# Altium PCB SPEC-A7.PcbDoc (part 2 of 10) (continued)
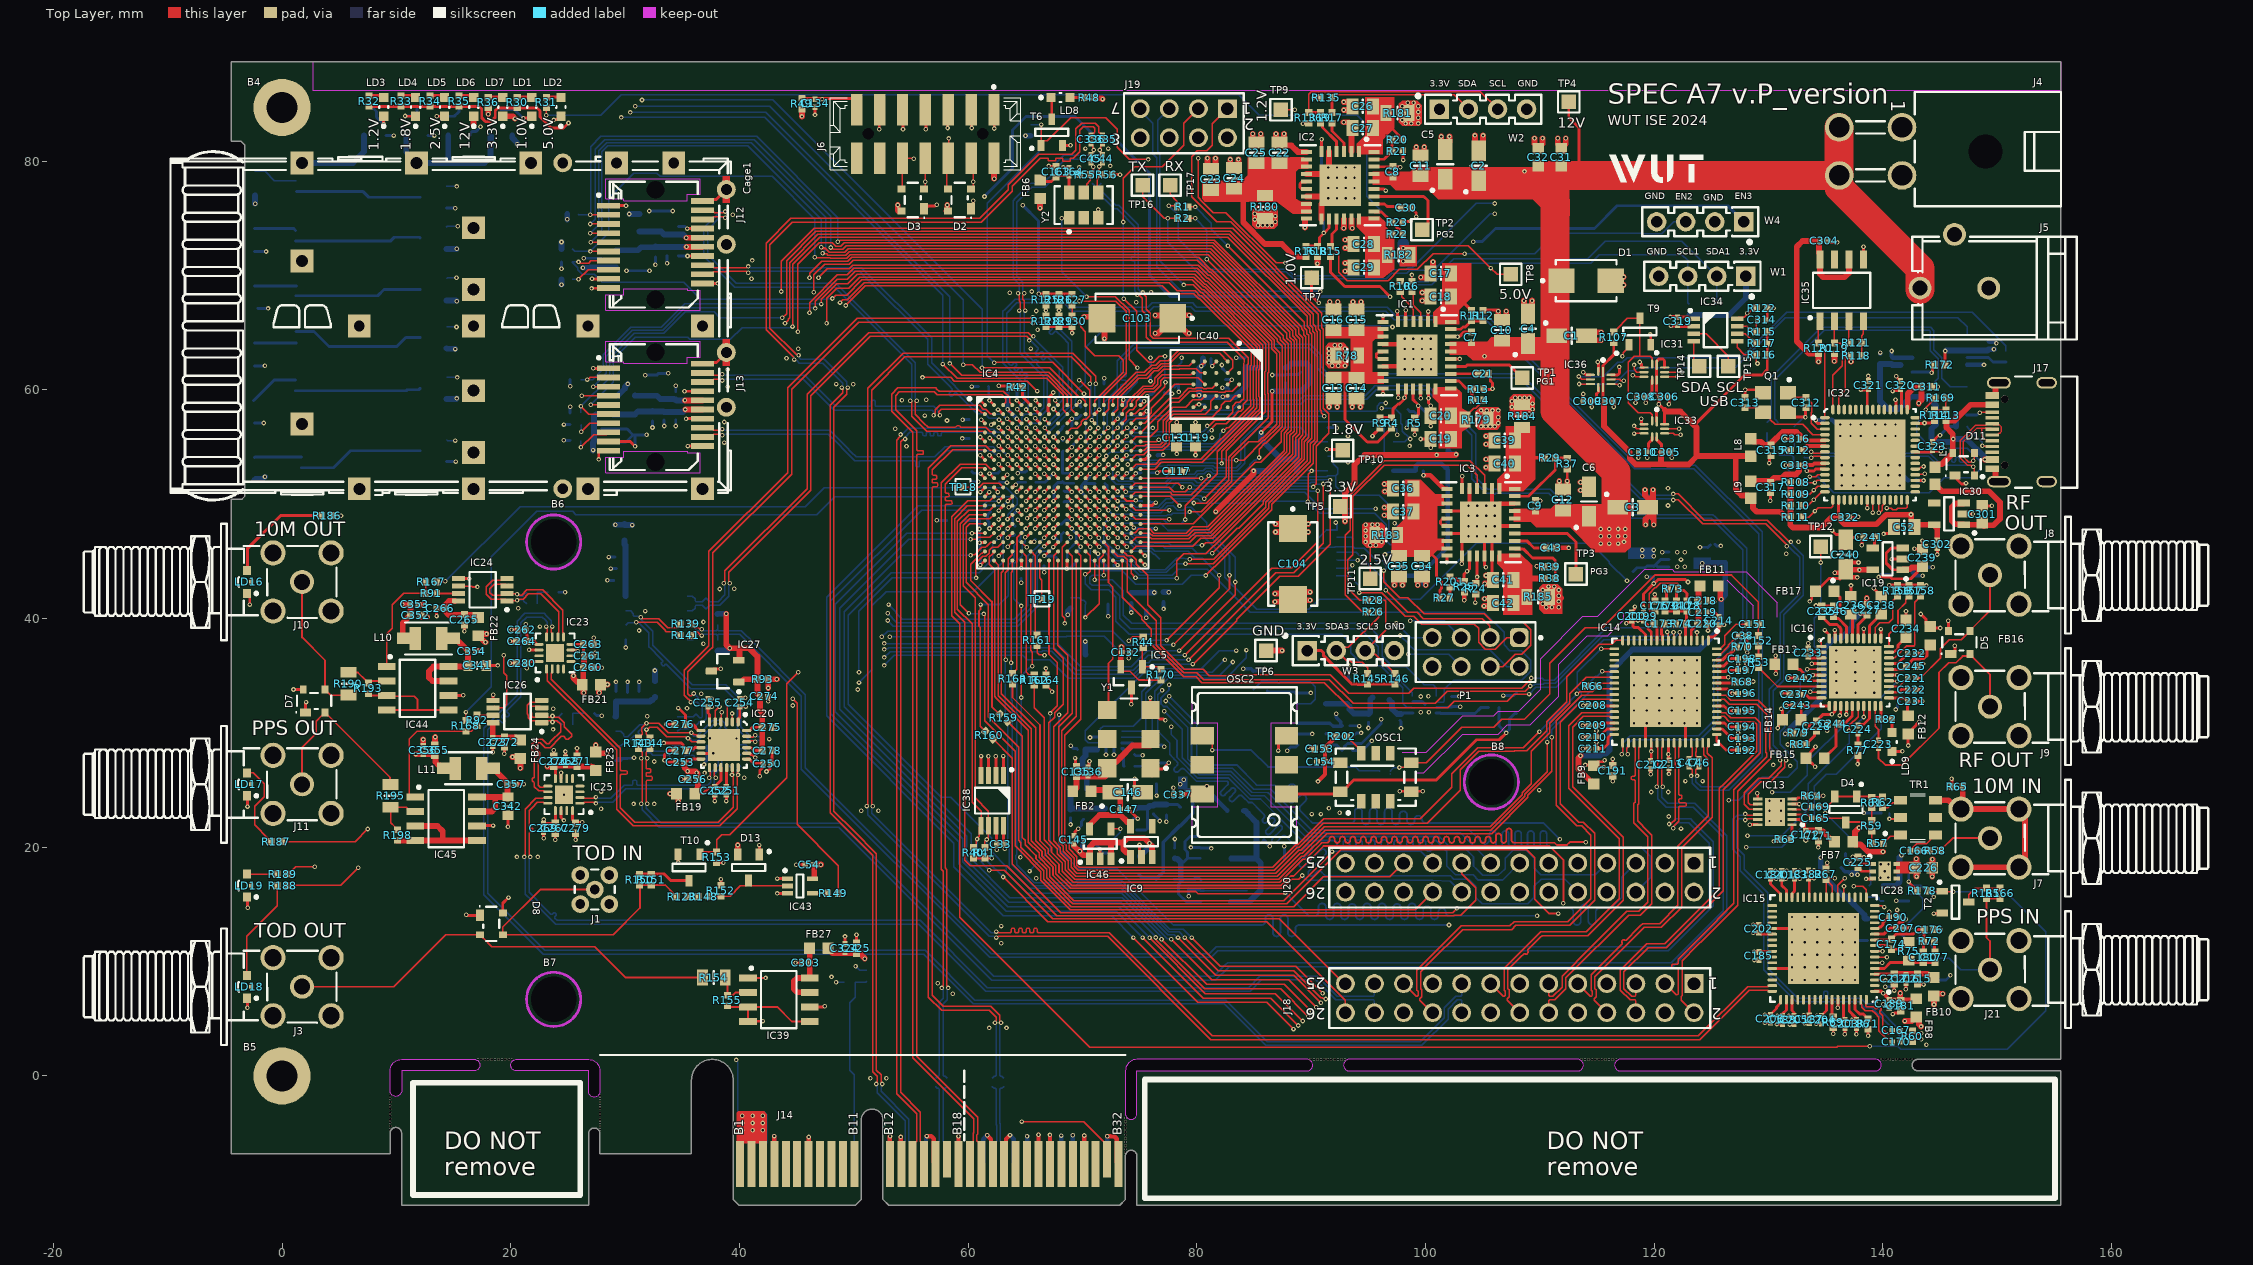
[diagram p0: Top Layer view]
## Footprints (in the part's own frame and the unit in brackets; to place one, negate y for a bottom-side part, rotate by r counter-clockwise, add the part's x,y. Pads: shape width x height; smd on the part's side, far side on the other; paste and mask are expansions set on the pad) (continued)
  rect 0.35x0.975 smd paste-2539.97 mask-0.025: 7(-2.925,-2.963) 8(-2.275,-2.963) 9(-1.625,-2.963) 10(-0.975,-2.963) 11(-0.325,-2.963) 12(0.325,-2.963) 13(0.975,-2.963) 14(1.625,-2.963) 15(2.275,-2.963) 16(2.925,-2.963) 23(2.925,2.963) 24(2.275,2.963) 25(1.625,2.963) 26(0.975,2.963) 27(0.325,2.963) 28(-0.325,2.963) 29(-0.975,2.963) 30(-1.625,2.963) 31(-2.275,2.963) 32(-2.925,2.963)
  rect 3.6x3.6 smd paste-2539.97 mask-0.25: 33(0,0)
  silkscreen extent -4.15,-3.5 3.5,3.5, body extent -3.5,-3.5 3.5,3.5, height 2.1
MTG270_500 [mm] "Plated Through Hole: Hole Dia.=2.7mm Pad Dia.=5.0mm"
  round 5 hole 2.7: 1(0,0)
MTG400 [mm] "Non Plated Through Hole: Hole Dia.=4mm"
  round 1 hole 4 unplated mask+1.5: 1(0,0)
OSC_CONNOR-WINFIELD_DOT050V [mm] "SMD VCTCXO, Side Concave, 6 Pins, 9.00x14.00mm, DOT050V Series"
  rect 2.03x1.52 smd: 1(-3.685,2.54) 2(-3.685,0) 3(-3.685,-2.54) 4(3.685,-2.54) 5(3.685,0) 6(3.685,2.54)
  Top Layer keep-out region: -4.55,6.8 4.575,6.8 4.575,3.675 4.55,3.65 2.32,3.65 2.32,-3.65 4.575,-3.65 4.575,-6.8 -4.575,-6.8 -4.575,-3.675 -4.55,-3.65 -2.32,-3.65 -2.32,3.65 -4.55,3.65
  silkscreen extent -4.57,-6.8 4.57,6.8, body extent -4.57,-6.8 4.58,6.8, height 6.86
OSC_CONNOR-WINFIELD_T [mm] "SMD VCTCXO, Side Concave, 10 Pins, 5.00x7.00mm, T Series"
  rect 1.28x0.76 smd: 1(-2.09,1.27) 2(-2.09,0) 3(-2.09,-1.27) 6(2.09,-1.27) 7(2.09,0) 8(2.09,1.27)
  rect 0.94x1.28 smd: 4(-1.27,-3.105) 5(1.27,-3.105) 9(1.27,3.105) 10(-1.27,3.105)
  silkscreen extent -3.25,-3.5 2.5,3.5, body extent -2.5,-3.5 2.5,3.5, height 2.4
OSC_SI-TIME_SIT9121-C [mm] "SiT9121 Series Package C, Oscillators, Version 3.2mmx5mm, Pitch 1.27mm; 6 Pin"
  rect 1.2x0.9 smd: 1(-1.1,1.27) 2(-1.1,0) 3(-1.1,-1.27) 4(1.1,-1.27) 5(1.1,0) 6(1.1,1.27)
  silkscreen extent -2.44,-2.55 1.65,2.55, body extent -1.65,-2.55 1.65,2.55, height 0.8
"PCI Express x4" [mm] "64 contacts Board Eddge PCI Express x4 Connector"
  rect 0.7x3.2 smd far side paste-0.4: A1(0.6,4)
  rect 0.7x4 smd far side paste-0.4: A2(1.6,3.6) A3(2.6,3.6) A4(3.6,3.6) A5(4.6,3.6) A6(5.6,3.6) A7(6.6,3.6) A8(7.6,3.6) A9(8.6,3.6) A10(9.6,3.6) A11(10.6,3.6) A12(13.7,3.6) A13(14.7,3.6) A14(15.7,3.6) A15(16.7,3.6) A16(17.7,3.6) A17(18.7,3.6) A18(19.7,3.6) A19(20.7,3.6) A20(21.7,3.6) A21(22.7,3.6) A22(23.7,3.601) A23(24.7,3.601) A24(25.7,3.601) A25(26.7,3.601) A26(27.7,3.601) A27(28.7,3.601) A28(29.7,3.601) A29(30.7,3.602) A30(31.7,3.602) A31(32.7,3.602) A32(33.7,3.602)
  rect 0.7x4 smd paste-0.4: B1(0.6,3.6) B2(1.6,3.6) B3(2.6,3.6) B4(3.6,3.6) B5(4.6,3.6) B6(5.6,3.6) B7(6.6,3.6) B8(7.6,3.6) B9(8.6,3.6) B10(9.6,3.6) B11(10.6,3.6) B12(13.7,3.6) B13(14.7,3.6) B14(15.7,3.6) B15(16.7,3.6) B16(17.7,3.6) B18(19.7,3.6) B19(20.7,3.6) B20(21.7,3.6) B21(22.7,3.6) B22(23.7,3.601) B23(24.7,3.601) B24(25.7,3.601) B25(26.7,3.601) B26(27.7,3.601) B27(28.7,3.601) B28(29.7,3.601) B29(30.7,3.602) B30(31.7,3.602) B32(33.7,3.602)
  rect 0.7x3.2 smd paste-0.4: B17(18.7,4) B31(32.7,4.002)
QFN40P140X180X55-10N [mm] "QFN, 0.40mm Pitch, Rect.;10 Pin, 1.80mm L X 1.40mm W X 0.55mm H Body, IPC Medium Density"
  oval 0.9x0.2 smd: 1(-0.65,0.2)
  oval 0.8x0.2 smd: 2(-0.7,-0.2) 6(0.7,-0.2) 7(0.7,0.2)
  oval 0.2x0.8 smd: 3(-0.4,-0.9) 4(0,-0.9) 5(0.4,-0.9) 8(0.4,0.9) 9(0,0.9) 10(-0.4,0.9)
  silkscreen extent -1.82,0.08 -1.58,0.33, body extent -0.7,-0.9 0.7,0.9, height 0.55
QFN50P400X400X80-25N-S280 [mm] "QFN,0.50mm Pitch, Square; 24 Pin, 4.00mm W X 4.00mm L X 0.80mm H body (w/Thermal Tab 2.80 X 2.80mm), IPC Medium Density"
  oval 0.8x0.3 smd: 1(-2,1.25) 2(-2,0.75) 3(-2,0.25) 4(-2,-0.25) 5(-2,-0.75) 6(-2,-1.25) 13(2,-1.25) 14(2,-0.75) 15(2,-0.25) 16(2,0.25) 17(2,0.75) 18(2,1.25)
  oval 0.3x0.8 smd: 7(-1.25,-2) 8(-0.75,-2) 9(-0.25,-2) 10(0.25,-2) 11(0.75,-2) 12(1.25,-2) 19(1.25,2) 20(0.75,2) 21(0.25,2) 22(-0.25,2) 23(-0.75,2) 24(-1.25,2)
  rect 2.8x2.8 smd: 25(0,0)
  silkscreen extent -2.76,-2 2,2, body extent -2.07,-2.07 2.08,2.08, height 0.8
QFN50P600X600X100-41N-S460 [mm] "QFN, 0.50mm Pitch, Square 40 pin, 6.00mm L X 6.00mm W X 1.00mm H body (w/thermal tab 4.6mm x 4.6mm), IPC Medium Density"
  oval 0.9x0.3 smd: 1(-2.95,2.25) 2(-2.95,1.75) 3(-2.95,1.25) 4(-2.95,0.75) 5(-2.95,0.25) 6(-2.95,-0.25) 7(-2.95,-0.75) 8(-2.95,-1.25) 9(-2.95,-1.75) 10(-2.95,-2.25) 21(2.95,-2.25) 22(2.95,-1.75) 23(2.95,-1.25) 24(2.95,-0.75) 25(2.95,-0.25) 26(2.95,0.25) 27(2.95,0.75) 28(2.95,1.25) 29(2.95,1.75) 30(2.95,2.25)
  oval 0.3x0.9 smd: 11(-2.25,-2.95) 12(-1.75,-2.95) 13(-1.25,-2.95) 14(-0.75,-2.95) 15(-0.25,-2.95) 16(0.25,-2.95) 17(0.75,-2.95) 18(1.25,-2.95) 19(1.75,-2.95) 20(2.25,-2.95) 31(2.25,2.95) 32(1.75,2.95) 33(1.25,2.95) 34(0.75,2.95) 35(0.25,2.95) 36(-0.25,2.95) 37(-0.75,2.95) 38(-1.25,2.95) 39(-1.75,2.95) 40(-2.25,2.95)
  rect 4.6x4.6 smd: 41(0,0)
  silkscreen extent -4.04,-3 3,3.16, body extent -3,-3 3,3, height 1
QFN50P800X800X100-57N-S620 [mm] "QFN, 0.50mm Pitch, Square; 56 Pin, 8.00mm L X 8.00mm W X 1.00mm H body (6.2mm X 6.2mm Thermal tab), IPC Medium Density"
  oval 0.85x0.3 smd: 1(-3.95,3.25) 2(-3.95,2.75) 3(-3.95,2.25) 4(-3.95,1.75) 5(-3.95,1.25) 6(-3.95,0.75) 7(-3.95,0.25) 8(-3.95,-0.25) 9(-3.95,-0.75) 10(-3.95,-1.25) 11(-3.95,-1.75) 12(-3.95,-2.25) 13(-3.95,-2.75) 14(-3.95,-3.25) 29(3.95,-3.25) 30(3.95,-2.75) 31(3.95,-2.25) 32(3.95,-1.75) 33(3.95,-1.25) 34(3.95,-0.75) 35(3.95,-0.25) 36(3.95,0.25) 37(3.95,0.75) 38(3.95,1.25) 39(3.95,1.75) 40(3.95,2.25) 41(3.95,2.75) 42(3.95,3.25)
  oval 0.3x0.85 smd: 15(-3.25,-3.95) 16(-2.75,-3.95) 17(-2.25,-3.95) 18(-1.75,-3.95) 19(-1.25,-3.95) 20(-0.75,-3.95) 21(-0.25,-3.95) 22(0.25,-3.95) 23(0.75,-3.95) 24(1.25,-3.95) 25(1.75,-3.95) 26(2.25,-3.95) 27(2.75,-3.95) 28(3.25,-3.95) 43(3.25,3.95) 44(2.75,3.95) 45(2.25,3.95) 46(1.75,3.95) 47(1.25,3.95) 48(0.75,3.95) 49(0.25,3.95) 50(-0.25,3.95) 51(-0.75,3.95) 52(-1.25,3.95) 53(-1.75,3.95) 54(-2.25,3.95) 55(-2.75,3.95) 56(-3.25,3.95)
  rect 6.2x6.2 smd: 57(0,0)
  silkscreen extent -5.07,-4 4,4, body extent -4,-4 4,4, height 1
RESC1005X40N [mm] "Chip Resistor, EIA 0402, Metric 1005, Body 1.0x0.5mm, IPC Medium Density"
  rect 0.58x0.62 smd: 1(-0.47,0) 2(0.47,0)
  body extent -0.52,-0.27 0.53,0.28, height 0.4
RESC1608X55N [mm] "Chip Resistor, EIA 0603, Metric 1608, Body 1.6x0.8mm, IPC Medium Density"
  rect 0.9x1 smd: 1(-0.8,0) 2(0.8,0)
  body extent -0.87,-0.47 0.88,0.48, height 0.55
RESC2012X60N [mm] "Chip Resistor, EIA 0805, Metric 2012, Body 2.0x1.2mm, IPC Medium Density"
  rect 0.95x1.4 smd: 1(-1,0) 2(1,0)
  silkscreen extent 0,-0.55 0,0.55, body extent -1.1,-0.67 1.1,0.68, height 0.6
SAMTEC_HTSW-104-23-L-S [mm] "4 Contacts - Pitch 2.54mm - Single Row Through Mount Straigh Header (Post Lead 5.84mm, Tail Lead 2.92mm, Insulator 2.54mm)"
  rect 1.7x1.7 hole 1: 1(0,0)
  round 1.7 hole 1: 2(2.54,0) 3(5.08,0) 4(7.62,0)
  silkscreen extent -1.27,-1.27 8.89,1.93, body extent -1.27,-1.27 8.89,1.27, height 8.38
SAMTEC_MMCX-J-P-H-ST-TH1 [mm] "Straight Through-hole 50 Ohm Micro Mini RF Jack, MMCX Serie"
  round 1.55 hole 0.85: 1(0,0) 2(-1.27,1.27) 2(-1.27,-1.27) 2(1.27,1.27) 2(1.27,-1.27)
  silkscreen extent -1.75,-1.75 1.75,1.75, body extent -1.75,-1.75 1.75,1.75, height 4.35
SOIC127P600X175-8N [mm] "SOIC 8, Pitch 1.27mm - Body 4x5mm, IPC Medium Density"
  rect 1.55x0.6 smd: 1(-2.7,1.905) 2(-2.7,0.635) 3(-2.7,-0.635) 4(-2.7,-1.905) 5(2.7,-1.905) 6(2.7,-0.635) 7(2.7,0.635) 8(2.7,1.905)
  silkscreen extent -2.53,-2.5 1.55,2.88, body extent -3.1,-2.5 3.1,2.5, height 1.75
SON45P300X300X80-13N-R175X248 [mm] "SON, 0.45mm Pitch; 12 Pin, 3.00mm W X 3.00mm L X 0.80mm H Body (w/Thermal tab 1.75 x 2.48mm), IPC Medium Density"
  rect 0.8x0.25 smd: 1(-1.5,1.125) 2(-1.5,0.675) 3(-1.5,0.225) 4(-1.5,-0.225) 5(-1.5,-0.675) 6(-1.5,-1.125) 7(1.5,-1.125) 8(1.5,-0.675) 9(1.5,-0.225) 10(1.5,0.225) 11(1.5,0.675) 12(1.5,1.125)
  rect 1.75x2.45 smd paste-0.37: 13(0,0)
  silkscreen extent -2.53,1 -2.28,1.25, body extent -1.5,-1.5 1.5,1.5, height 0.8
SON50P200X60_HS-9N [mm] "SON, 8-Leads, Body 2,00x2,00mm, Pitch 0,50mm, Thermal Pad 1,60x0,63mm, IPC Medium Density"
  rect 0.6x0.3 smd: 1(-1.05,0.75) 2(-1.05,0.25) 3(-1.05,-0.25) 4(-1.05,-0.75) 5(1.05,-0.75) 6(1.05,-0.25) 7(1.05,0.25) 8(1.05,0.75)
  rect 1.1x1.7 smd: 9(0,0)
  silkscreen extent -1.47,1.28 -1.22,1.52, body extent -1.05,-1 1.05,1, height 0.65
SON65P200X200X80-7N-R110X170 [mm] "SON, 0.65mm, Pitch; 6 Pin,2.00mm W X 2.00mm L X 0.80mm H body (W/Thermal Tab 1.1mm X 1.7mm),  IPC Medium Density"
  rect 0.6x0.35 smd: 1(-1.05,0.65) 2(-1.05,0) 3(-1.05,-0.65) 4(1.05,-0.65) 5(1.05,0) 6(1.05,0.65)
  rect 1.1x1.7 smd: 7(0,0)
  silkscreen extent -1.57,1.19 -1.32,1.44, body extent -1.05,-1.05 1.05,1.05, height 0.77
SON127P600X500X80-9N-R350X410 [mm] "SON, 1.27mm pitch, 8 pin, 6.00mm W X 5.00mm L X 0.80mm H body (w/thermal tab  3.50 X 4.10 mm), IPC Medium Density"
  rect 1.05x0.45 smd: 1(-2.85,1.905) 2(-2.85,0.635) 3(-2.85,-0.635) 4(-2.85,-1.905) 5(2.85,-1.905) 6(2.85,-0.635) 7(2.85,0.635) 8(2.85,1.905)
  rect 3.5x4.1 smd: 9(0,0)
  silkscreen extent -3.97,-2.5 1.95,2.5, body extent -3,-2.5 3,2.5, height 0.8
SOP65P400X130-8N [mm] "SOP, 0.65mm, Pitch; 8 Pin, 2.80mm W X 2.95mm L X 1.30mm H Body, PC Medium Density"
  rect 1.1x0.4 smd: 1(-1.9,0.975) 2(-1.9,0.325) 3(-1.9,-0.325) 4(-1.9,-0.975) 5(1.9,-0.975) 6(1.9,-0.325) 7(1.9,0.325) 8(1.9,0.975)
  silkscreen extent -2.32,-1.5 1.02,1.82, body extent -2.15,-1.57 2.15,1.58, height 1.3
SOP65P490X110-8N [mm] "SOP, 0.65mm pitch; 8 pin, 3.00mm W X 3.00mm L X 1.10mm H body, IPC Medium Density"
  rect 1.5x0.45 smd: 1(-2.2,0.975) 2(-2.2,0.325) 3(-2.2,-0.325) 4(-2.2,-0.975) 5(2.2,-0.975) 6(2.2,-0.325) 7(2.2,0.325) 8(2.2,0.975)
  silkscreen extent -3.66,-1.5 1.12,1.5, body extent -2.45,-1.55 2.45,1.55, height 1.1
SOT65P210X110-5N [mm] "SOT353, SC70-5, SOT, 0.65mm Pitch, 5 Pin, 1.25mm W X 2.00mm L X 1.10mm H, IPC Medium Density"
  rect 0.95x0.4 smd: 1(-1.1,0.65) 2(-1.1,0) 3(-1.1,-0.65) 4(1.1,-0.65) 5(1.1,0.65)
  silkscreen extent -1.43,-1 0.3,1.47, body extent -1.2,-1.1 1.2,1.1, height 1.1
SOT95P230X110-3N [mm] "SOT23, 3 pin, Pitch 0.95mm - 1.3mm W X 2.9mm L X 1.1mm H, IPC Medium Density"
  rect 1x0.6 smd: 1(-1.15,0.95) 2(-1.15,-0.95) 3(1.15,0)
  silkscreen extent -1.52,-1.45 0.33,1.88, body extent -1.08,-1.5 1.25,1.5, height 1.1
SOT95P240X110-3N [mm] "SOT23 3-Leads, Pitch 0.95mm, Body 1.3x2.9mm, IPC Medium Density"
  rect 1.05x0.65 smd: 1(-1.15,0.95) 2(-1.15,-0.95) 3(1.15,0)
  silkscreen extent -2.32,-1.45 0.3,1.48, body extent -1.25,-1.5 1.25,1.5, height 1.1
SOT95P270X145-5N [mm] "SOT, 0.95mm Pitch; 5 Pin,1.55mm W X 2.90mm L X 1.45mm H body, IPC Medium Density"
  rect 1.25x0.6 smd: 1(-1.35,0.95) 2(-1.35,0) 3(-1.35,-0.95) 4(1.35,-0.95) 5(1.35,0.95)
  silkscreen extent -1.83,-1.45 0.4,1.87, body extent -1.35,-1.45 1.35,1.45, height 1.45
SOT95P280X145-5N [mm] "SOT, 0.95mm pitch; 5 pin, 1.60mm W X 2.90mm L X 1.45mm H body, IPC Medium Density"
  rect 1.1x0.6 smd: 1(-1.3,0.95) 2(-1.3,0) 3(-1.3,-0.95) 4(1.3,-0.95) 5(1.3,0.95)
  silkscreen extent -1.72,-1.45 0.43,1.87, body extent -1.4,-1.5 1.4,1.5, height 1.45
SOT95P280X145-6N [mm]
  rect 1.2x0.6 smd: 1(-1.25,0.95) 2(-1.25,0) 3(-1.25,-0.95) 4(1.25,-0.95) 5(1.25,0) 6(1.25,0.95)
  silkscreen extent -1.85,-1.45 0.3,1.6, body extent -1.4,-1.45 1.4,1.45, height 1.2
SOT190P238X100-4N [mm] "SOT143, 4-Leads, Body 2,90x2,38mm, Pitch 1,90mm, IPC Medium Density"
  rect 0.7x1 smd: 1(-1,0.75)
  rect 0.7x0.6 smd: 2(-1,-0.95) 3(1,-0.95) 4(1,0.95)
  silkscreen extent -1.05,-1.5 0.7,1.6, body extent -0.95,-1.5 0.95,1.5, height 1
SOT-23-TT3_L [mm] "SOT23, 3-Leads, Body 2.9x1.3mm, Pitch 0.95mm, Lead Span 2.4mm, IPC High Density"
  rect 1.2x0.6 smd: 1(-0.9,0.95) 2(-0.9,-0.95) 3(0.9,0)
  silkscreen extent -1.02,-1.55 0.7,1.93, body extent -0.7,-1.52 0.7,1.53, height 1.12
TPS060 [mm] "0.6 x  0.6mm SMD Test Point Area"
  rect 0.6x0.6 smd paste-1.27: 1(0,0)
  silkscreen extent -0.65,-0.65 0.7,0.65
TPS127 [mm] "1.27 x  1.27mm SMD Test Point Area"
  rect 1.27x1.27 smd paste-1.27: 1(0,0)
  silkscreen extent -0.94,-0.94 0.94,0.94
TYCO_2007263-1 [mm] "SFP+ 1x2 Press Fit Cage with EMI Springs"
  rect 2x2 hole 1.05: 1(-30.9,14.25) 2(-20.9,14.25) 3(-10.9,14.25) 4(4.1,-14.25) 5(-5.9,-14.25) 6(-15.9,-14.25) 7(-25.9,-14.25) 8(-30.9,-8.575) 9(-30.9,5.675) 10(-15.9,8.575) 11(-15.9,3.175) 12(-15.9,-5.675) 13(-15.9,-11.075)
  round 1.65 hole 0.95: 14(-8.1,14.25) 17(6.2,11.925) 18(6.2,7.125) 19(6.2,-2.325) 20(6.2,-7.125) 21(-8.1,-14.25)
  rect 2x2 hole 0.95: 15(-3.4,14.25) 16(1.6,14.25) 22(4.1,0) 23(-5.9,0) 24(-15.9,0) 25(-25.9,0)
  Top Layer region: 5.9,-1.18 6.5,-1.18 6.5,-3.48 5.9,-3.48
  Top Layer region: 5.9,13.07 6.5,13.07 6.5,10.77 5.9,10.77
  silkscreen extent -42.4,-15.27 6.58,15.27, body extent -42.4,-15.27 6.58,15.27, height 10.6
XFMR_COILCRAFT_WBC [mm] "Surface Mount Mini Wideband Transformer, Body 4.19mm x 4.45mm"
  rect 1.14x0.76 smd: 1(-1.525,-1.52) 2(-1.525,0) 3(-1.525,1.52) 4(1.525,1.52) 5(1.525,0) 6(1.525,-1.52)
  silkscreen extent -2.97,-2.1 0.65,2.1, body extent -2.22,-2.1 2.23,2.1, height 3.01
XTAL_TXC_7M [mm] "4 Pins, 2.5x3.2mm, SMD Sealing Crystal, 7M Serie"
  rect 1.2x1.4 smd: 1(-0.85,1.1) 2(-0.85,-1.1) 3(0.85,-1.1) 4(0.85,1.1)
  silkscreen extent -2.12,1.08 -1.88,1.33, body extent -1.25,-1.6 1.25,1.6, height 0.8

## Part data
B4 B5: library part PLATED_HOLE2.7_PAD5.0, "Single Terminal Socket", Author="CERN DEM JMW", Component Type="Standard (No BOM)", ComponentHeight=0mm, CreateDate=27.09.2011, Family="Plated Hole", HelpURL=Undefined, LatestRevisionDate=27.09.2011, Mounted=No, PackageDescription="Plated Through Hole: Hole Dia.=2.7mm Pad Dia.=5.0mm", Part Description="Plated Through Hole: Hole Dia.=2.7mm Pad Dia.=5.0mm", Part Number=PLATED_HOLE2.7_PAD5.0, Pin Count=1, Sense=No, SMD=No, Socket=No, Status=None
B6 B7 B8: library part NON-PLATED_HOLE4.0, "Single Terminal Socket", Author="CERN DEM JMW", Component Type="Standard (No BOM)", ComponentHeight=0mm, CreateDate=22.03.2019, Family="Non Plated Hole", HelpURL=Undefined, LatestRevisionDate=22.03.2019, Mounted=No, PackageDescription="Non Plated Through Hole: Hole Dia.=4.0mm", Part Description="Non Plated Through Hole: Hole Dia.=4.0mm", Part Number=NON-PLATED_HOLE4.0, Pin Count=1, Sense=No, SMD=No, Socket=No, Status=None
C1 C2 C3 C4 C5 C6: library part CTE3216-18_10UF_16V_20%_AVX_TCJ, "Polarised capacitor", Case=A, Manufacturer=AVX, Manufacturer Part Number=TCJA106M016R0200, Tolerance=±20%, Voltage=16V, Author="CERN DEM JLC", Component Type=Standard, ComponentHeight=1.8mm, CreateDate=29.03.2012, HelpURL=\\cern.ch\dfs\Applications\Altium\Datasheets\CTE_AVX_TCJ.pdf, LatestRevisionDate=29.03.2012, Mounted=Yes, Part Description="ESR 0R200 Tantalum Solid Electrolytic Chip Capacitor with Conductive Polymer Electrode", Part Number=CTE3216-18_10UF_16V_20%_AVX_TCJ, Pin Count=2, Sense=No, SMD=Yes, Socket=No, Status=Preferred
C7 C8 C9: library part CC0402_100NF_16V_10%_X7R, "Non-polarised capacitor", Case=0402, Manufacturer=GENERIC, Manufacturer1 ComponentHeight=0.55mm, Manufacturer1 Example=MURATA, Manufacturer1 Part Number=GRM155R71C104KA88D, Tolerance=±10%, Voltage=16V, Author="CERN DEM JLC", Component Type=Standard, CreateDate=05/12/2013, HelpURL=\\cern.ch\dfs\Applications\Altium\Datasheets\CC0402_X7R_MURATA_GRM.pdf, LatestRevisionDate=03/12/2007, Manufacturer Part Number=CC0402_100NF_16V_10%_X7R, Mounted=Yes, Part Description="SMD Multilayer Chip Ceramic Capacitor", Part Number=CC0402_100NF_16V_10%_X7R, Pin Count=2, Sense=No, SMD=Yes, Socket=No, Status="Not Recommended", TC=X7R
C10 C11 C12 C13 C14 C15 C16 C17 C18 C19 C20 C22 C23 C24 C25 C26 C27 C28 C29 C34 C35 C36 C37 C39 C40 C41 C42 C52: library part CC0805_22UF_16V_10%_X5R, "Non-polarised capacitor", Case=0805, Manufacturer=GENERIC, Manufacturer1 ComponentHeight=1.35mm, Manufacturer1 Example=TDK, Manufacturer1 Part Number=C2012X5R1C226KT, Tolerance=±10%, Voltage=16V, Author="CERN DEM JLC", Component Type=Standard, CreateDate=25.10.2012, HelpURL=\\cern.ch\dfs\Applications\Altium\Datasheets\CC0805_X5R_TDK_C.pdf, LatestRevisionDate=25.10.2012, Manufacturer Part Number=CC0805_22UF_16V_10%_X5R, Mounted=Yes, Part Description="SMD Multilayer Chip Ceramic Capacitor", Part Number=CC0805_22UF_16V_10%_X5R, Pin Count=2, Sense=No, SMD=Yes, Socket=No, Status=Preferred, TC=X5R
C21 C30 C43 C225 C229 C237 C244 C245 C246 C282 C284 C290 C292 C329 C330 C344 C345: library part CC0402_1UF_16V_10%_X5R, "Non-polarised capacitor", Case=0402, Manufacturer=GENERIC, Manufacturer1 ComponentHeight=0.55mm, Manufacturer1 Example=TDK, Manufacturer1 Part Number=C1005X5R1C105KT, Tolerance=±10%, Voltage=16V, Author="CERN DEM JLC", Component Type=Standard, HelpURL=\\cern.ch\dfs\Applications\Altium\Datasheets\CC0402_X5R_TDK_C.pdf, Manufacturer Part Number=CC0402_1UF_16V_10%_X5R, Mounted=Yes, Part Description="SMD Multilayer Chip Ceramic Capacitor", Part Number=CC0402_1UF_16V_10%_X5R, Pin Count=2, Sense=No, SMD=Yes, Socket=No, Status=Preferred, TC=X5R
  C21 C30 C43 C225 C229 C237 C244 C245 C246 C329 C330 C344 C345: CreateDate=25.10.2012, LatestRevisionDate=25.10.2012
  C282 C284 C290 C292: CreateDate=2012-10-25, LatestRevisionDate=2012-10-25
C31 C32 C226 C230 C234 C236 C238 C283 C287 C291 C295 C301: library part CC0603_10UF_16V_20%_X5R, "Non-polarised capacitor", Case=0603, Manufacturer=GENERIC, Manufacturer1 ComponentHeight=0.8mm, Manufacturer1 Example=MURATA, Manufacturer1 Part Number=GRM188R61C106MA73D, Tolerance=±20%, Voltage=16V, Author="CERN DEM MR", Component Type=Standard, CreateDate=02.03.2016, HelpURL=\\cern.ch\dfs\Applications\Altium\Datasheets\CC0603_X5R_MURATA_GRM.pdf, LatestRevisionDate=02.03.2016, Manufacturer Part Number=CC0603_10UF_16V_20%_X5R, Mounted=Yes, Part Description="SMD Multilayer Chip Ceramic Capacitor", Part Number=CC0603_10UF_16V_20%_X5R, Pin Count=2, Sense=No, SMD=Yes, Socket=No, Status=None, TC=X5R
C33 C38 C44 C45 C46 C47 C48 C49 C50 C51 C53 C54 C55 C57 C58 C59 C60 C61 C62 C63 C64 C65 C66 C105 C132 C133 C134 C136 C137 C141 C143 C145 C147 C148 C154 C156 C158 C160 C162 C164 C165 C166 C167 C168 C169 C170 C172 C182 C183 C184 C185 C186 C187 C188 C189 C190 C192 C193 C194 C195 C196 C197 C198 C199 C200 C201 C202 C203 C204 C205 C206 C207 C208 C209 C210 C211 C212 C213 C214 C216 C219 C221 C222 C223 C224 C231 C232 C242 C243 C248 C250 C251 C252 C253 C254 C255 C258 C261 C262 C266 C268 C269 C273 C274 C281 C285 C286 C288 C289 C293 C294 C296 C297 C298 C299 C302 C303 C304 C305 C306 C307 C308 C309 C310 C314 C316 C318 C319 C320 C321 C322 C323 C324 C331 C332 C335 C336 C337 C343 C351 C353 C354 C356 C357: library part CC0201_100NF_6.3V_10%_X5R, "Non-polarised capacitor", Case=0201, Manufacturer=GENERIC, Manufacturer1 ComponentHeight=0.33mm, Manufacturer1 Example=AVX, Manufacturer1 Part Number=02016D104KAT2A, Tolerance=±10%, Voltage=6.3V, Author="CERN DEM JLC", Component Type=Standard, HelpURL=\\cern.ch\dfs\Applications\Altium\Datasheets\CC0201_X5R_AVX.pdf, Manufacturer Part Number=CC0201_100NF_6.3V_10%_X5R, Mounted=Yes, Part Description="SMD Multilayer Chip Ceramic Capacitor", Part Number=CC0201_100NF_6.3V_10%_X5R, Pin Count=2, Sense=No, SMD=Yes, Socket=No, Status="Not Recommended", TC=X5R
  C33 C38 C44 C45 C46 C47 C48 C49 C50 C51 C53 C54 C55 C57 C58 C59 C60 C61 C62 C63 C64 C65 C66 C105 C136 C137 C141 C143 C145 C147 C148 C154 C156 C158 C160 C162 C164 C165 C166 C167 C168 C169 C170 C172 C182 C183 C184 C185 C186 C187 C188 C189 C190 C192 C193 C194 C195 C196 C197 C198 C199 C200 C201 C202 C203 C204 C205 C206 C207 C208 C209 C210 C211 C212 C213 C214 C216 C219 C221 C222 C223 C224 C231 C232 C242 C243 C248 C250 C251 C252 C253 C254 C255 C258 C261 C262 C266 C268 C269 C273 C274 C297 C298 C299 C302 C303 C304 C305 C306 C307 C308 C309 C310 C314 C316 C318 C319 C320 C321 C322 C323 C324 C331 C332 C335 C336 C337 C343 C351 C353 C354 C356 C357: CreateDate=03.12.2007, LatestRevisionDate=03.12.2007
  C132 C133 C134: ClassName=FPGA_JTAG, CreateDate=2007-12-03, LatestRevisionDate=2007-12-03
  C281 C285 C286 C288 C289 C293 C294 C296: CreateDate=2007-12-03, LatestRevisionDate=2007-12-03
C56 C67 C81 C82 C84 C85 C100 C101 C107 C108 C109 C110 C111 C112 C117 C118 C135 C140 C142 C144 C153 C155 C159 C163 C171 C181 C191 C215 C218 C249 C256 C259 C260 C265 C267 C272 C325 C352 C355: library part CC0402_4.7UF_6.3V_20%_X5R, "Non-polarised capacitor", Case=0402, Manufacturer=GENERIC, Manufacturer1 ComponentHeight=0.65mm, Manufacturer1 Example=TDK, Manufacturer1 Part Number=C1005X5R0J475M050BC, Tolerance=±20%, Voltage=6.3V, Author="CERN DEM JLC", Component Type=Standard, CreateDate=03.03.2015, HelpURL=\\cern.ch\dfs\Applications\Altium\Datasheets\CC0402_X5R_TDK_C.pdf, LatestRevisionDate=03.03.2015, Manufacturer Part Number=CC0402_4.7UF_6.3V_20%_X5R, Mounted=Yes, Part Description="SMD Multilayer Chip Ceramic Capacitor", Part Number=CC0402_4.7UF_6.3V_20%_X5R, Pin Count=2, Sense=No, SMD=Yes, Socket=No, Status=Preferred, TC=X5R
C68 C83 C102 C119 C131 C341 C342: library part CC0603_47UF_6.3V_20%_X5R, "Non-polarised capacitor", Case=0603, Manufacturer=GENERIC, Manufacturer1 ComponentHeight=1mm, Manufacturer1 Example=MURATA, Manufacturer1 Part Number=GRM188R60J476ME15D, Tolerance=±20%, Voltage=6.3V, Author="CERN DEM JLC", Component Type=Standard, CreateDate=01.02.2018, HelpURL=\\cern.ch\dfs\Applications\Altium\Datasheets\CC0603_MURATA_GRM188R60J476ME15D.pdf, LatestRevisionDate=01.02.2018, Manufacturer Part Number=CC0603_47UF_6.3V_20%_X5R, Mounted=Yes, Part Description="SMD Multilayer Chip Ceramic Capacitor", Part Number=CC0603_47UF_6.3V_20%_X5R, Pin Count=2, Sense=No, SMD=Yes, Socket=No, Status=None, TC=X5R
C69 C70 C71 C72 C73 C74 C75 C76 C77 C78 C79 C80 C86 C87 C88 C89 C90 C91 C92 C93 C94 C95 C96 C97 C98 C99 C106 C113 C114 C115 C116 C120 C121 C122 C123 C124 C125 C126 C127 C128 C129 C130 C233 C326 C327 C328: library part CC0201_470NF_4V_20%_X5R, "Non-polarised capacitor", Case=0201, Manufacturer=GENERIC, Manufacturer1 ComponentHeight=0.33mm, Manufacturer1 Example="TAIYO YUDEN", Manufacturer1 Part Number=AMK063BJ474MP-F, Tolerance=±20%, Voltage=4V, Author="CERN DEM JLC", Component Type=Standard, CreateDate=27.05.2010, HelpURL=\\cern.ch\dfs\Applications\Altium\Datasheets\CC0201_X5R_TAIYO-YUDEN_STANDARD-CLASS2.pdf, LatestRevisionDate=27.05.2010, Manufacturer Part Number=CC0201_470NF_4V_20%_X5R, Mounted=Yes, Part Description="SMD Multilayer Chip Ceramic Capacitor", Part Number=CC0201_470NF_4V_20%_X5R, Pin Count=2, Sense=No, SMD=Yes, Socket=No, Status="Not Recommended", TC=X5R
C103 C104: library part CTE7343-19_330UF_2.5V_20%_LESR0025_KEMET_T520, "Polarised capacitor", Case=V, Manufacturer=KEMET, Manufacturer Part Number=T520V337M2R5ATE025, Tolerance=±20%, Voltage=2.5V, Author="CERN DEM MR", Component Type=Standard, ComponentHeight=1.9mm, CreateDate=23.03.2016, HelpURL=\\cern.ch\dfs\Applications\Altium\Datasheets\CTE-LESR_KEMET_T520.pdf, LatestRevisionDate=23.03.2016, Mounted=Yes, Part Description="Low ESR 0R025 Tantalum Chip Capacitor", Part Number=CTE7343-19_330UF_2.5V_20%_LESR0025_KEMET_T520, Pin Count=2, Sense=No, SMD=Yes, Socket=No, Status=None
C138 C149 C151 C152 C177 C217 C220 C235 C247 C257 C263 C264 C270 C271 C275 C276 C277 C278 C279 C280: library part CC0402_10NF_16V_10%_X7R, "Non-polarised capacitor", Case=0402, Manufacturer=GENERIC, Manufacturer1 ComponentHeight=0.55mm, Manufacturer1 Example=PHYCOMP, Manufacturer1 Part Number=223878715636, Tolerance=±10%, Voltage=16V, Author="CERN DEM JLC", Component Type=Standard, CreateDate=03.12.2007, HelpURL=\\cern.ch\dfs\Applications\Altium\Datasheets\CC0402_X7R_PHYCOMP.pdf, LatestRevisionDate=03.12.2007, Manufacturer Part Number=CC0402_10NF_16V_10%_X7R, Mounted=Yes, Part Description="SMD Multilayer Chip Ceramic Capacitor", Part Number=CC0402_10NF_16V_10%_X7R, Pin Count=2, Sense=No, SMD=Yes, Socket=No, Status="Not Recommended", TC=X7R
C139 C150: library part CC0805_100NF_50V_1%_NP0, "Non-polarised capacitor", Case=0805, Manufacturer=GENERIC, Manufacturer1 ComponentHeight=1.35mm, Manufacturer1 Example="WALSIN TECHNOLOGY CORPORATION", Manufacturer1 Part Number=0805N103F500C, Tolerance=±1%, Voltage=50V, Author="CERN DEM HF", Component Type=Standard, ComponentHeight=1.35mm, CreateDate=28.08.2023, HelpURL=\\cern.ch\dfs\Applications\Altium\Datasheets\CC0805_WALSIN_0805.pdf, LatestRevisionDate=28.08.2023, Manufacturer Part Number=CC0805_100NF_50V_1%_NP0, Mounted=Yes, Part Description="SMD Multilayer Chip Ceramic Capacitor", Part Number=CC0805_100NF_50V_1%_NP0, Pin Count=2, Sense=No, SMD=Yes, Socket=No, Status="Not Recommended", TC=C0G/NP0
C146 C157 C161 C240: library part CTE3216-18_10UF_10V_10%_LESR1800, "Polarised capacitor", Case=A, Manufacturer=GENERIC, Manufacturer1 ComponentHeight=1.8mm, Manufacturer1 Example=AVX, Manufacturer1 Part Number=TPSA106K010R1800, Tolerance=±10%, Voltage=10V, Author="CERN DEM JLC", Component Type=Standard, CreateDate=05.05.2008, HelpURL=\\cern.ch\dfs\Applications\Altium\Datasheets\CTE-LESR_AVX_TPS.pdf, LatestRevisionDate=20.01.2009, Manufacturer Part Number=CTE3216-18_10UF_10V_10%_LESR1800, Mounted=Yes, Part Description="Low ESR 1R8 Solid Tantalum Chip Capacitor", Part Number=CTE3216-18_10UF_10V_10%_LESR1800, Pin Count=2, Sense=No, SMD=Yes, Socket=No, Status=Preferred